# Altium PCB Tigershark 3D R2.4 - TR.PcbDoc (part 4 of 4)
Units mil, origin at the board's own origin, x right, y up, seen from the top; angles counter-clockwise.
Board outline 4100 x 4050 mil, 4 copper layers (Top Layer, Groun Plane, Power Plane, Bottom Layer), stack 61.73 mil thick; 425 components, 241 nets, 1238 pads, 1219 vias.
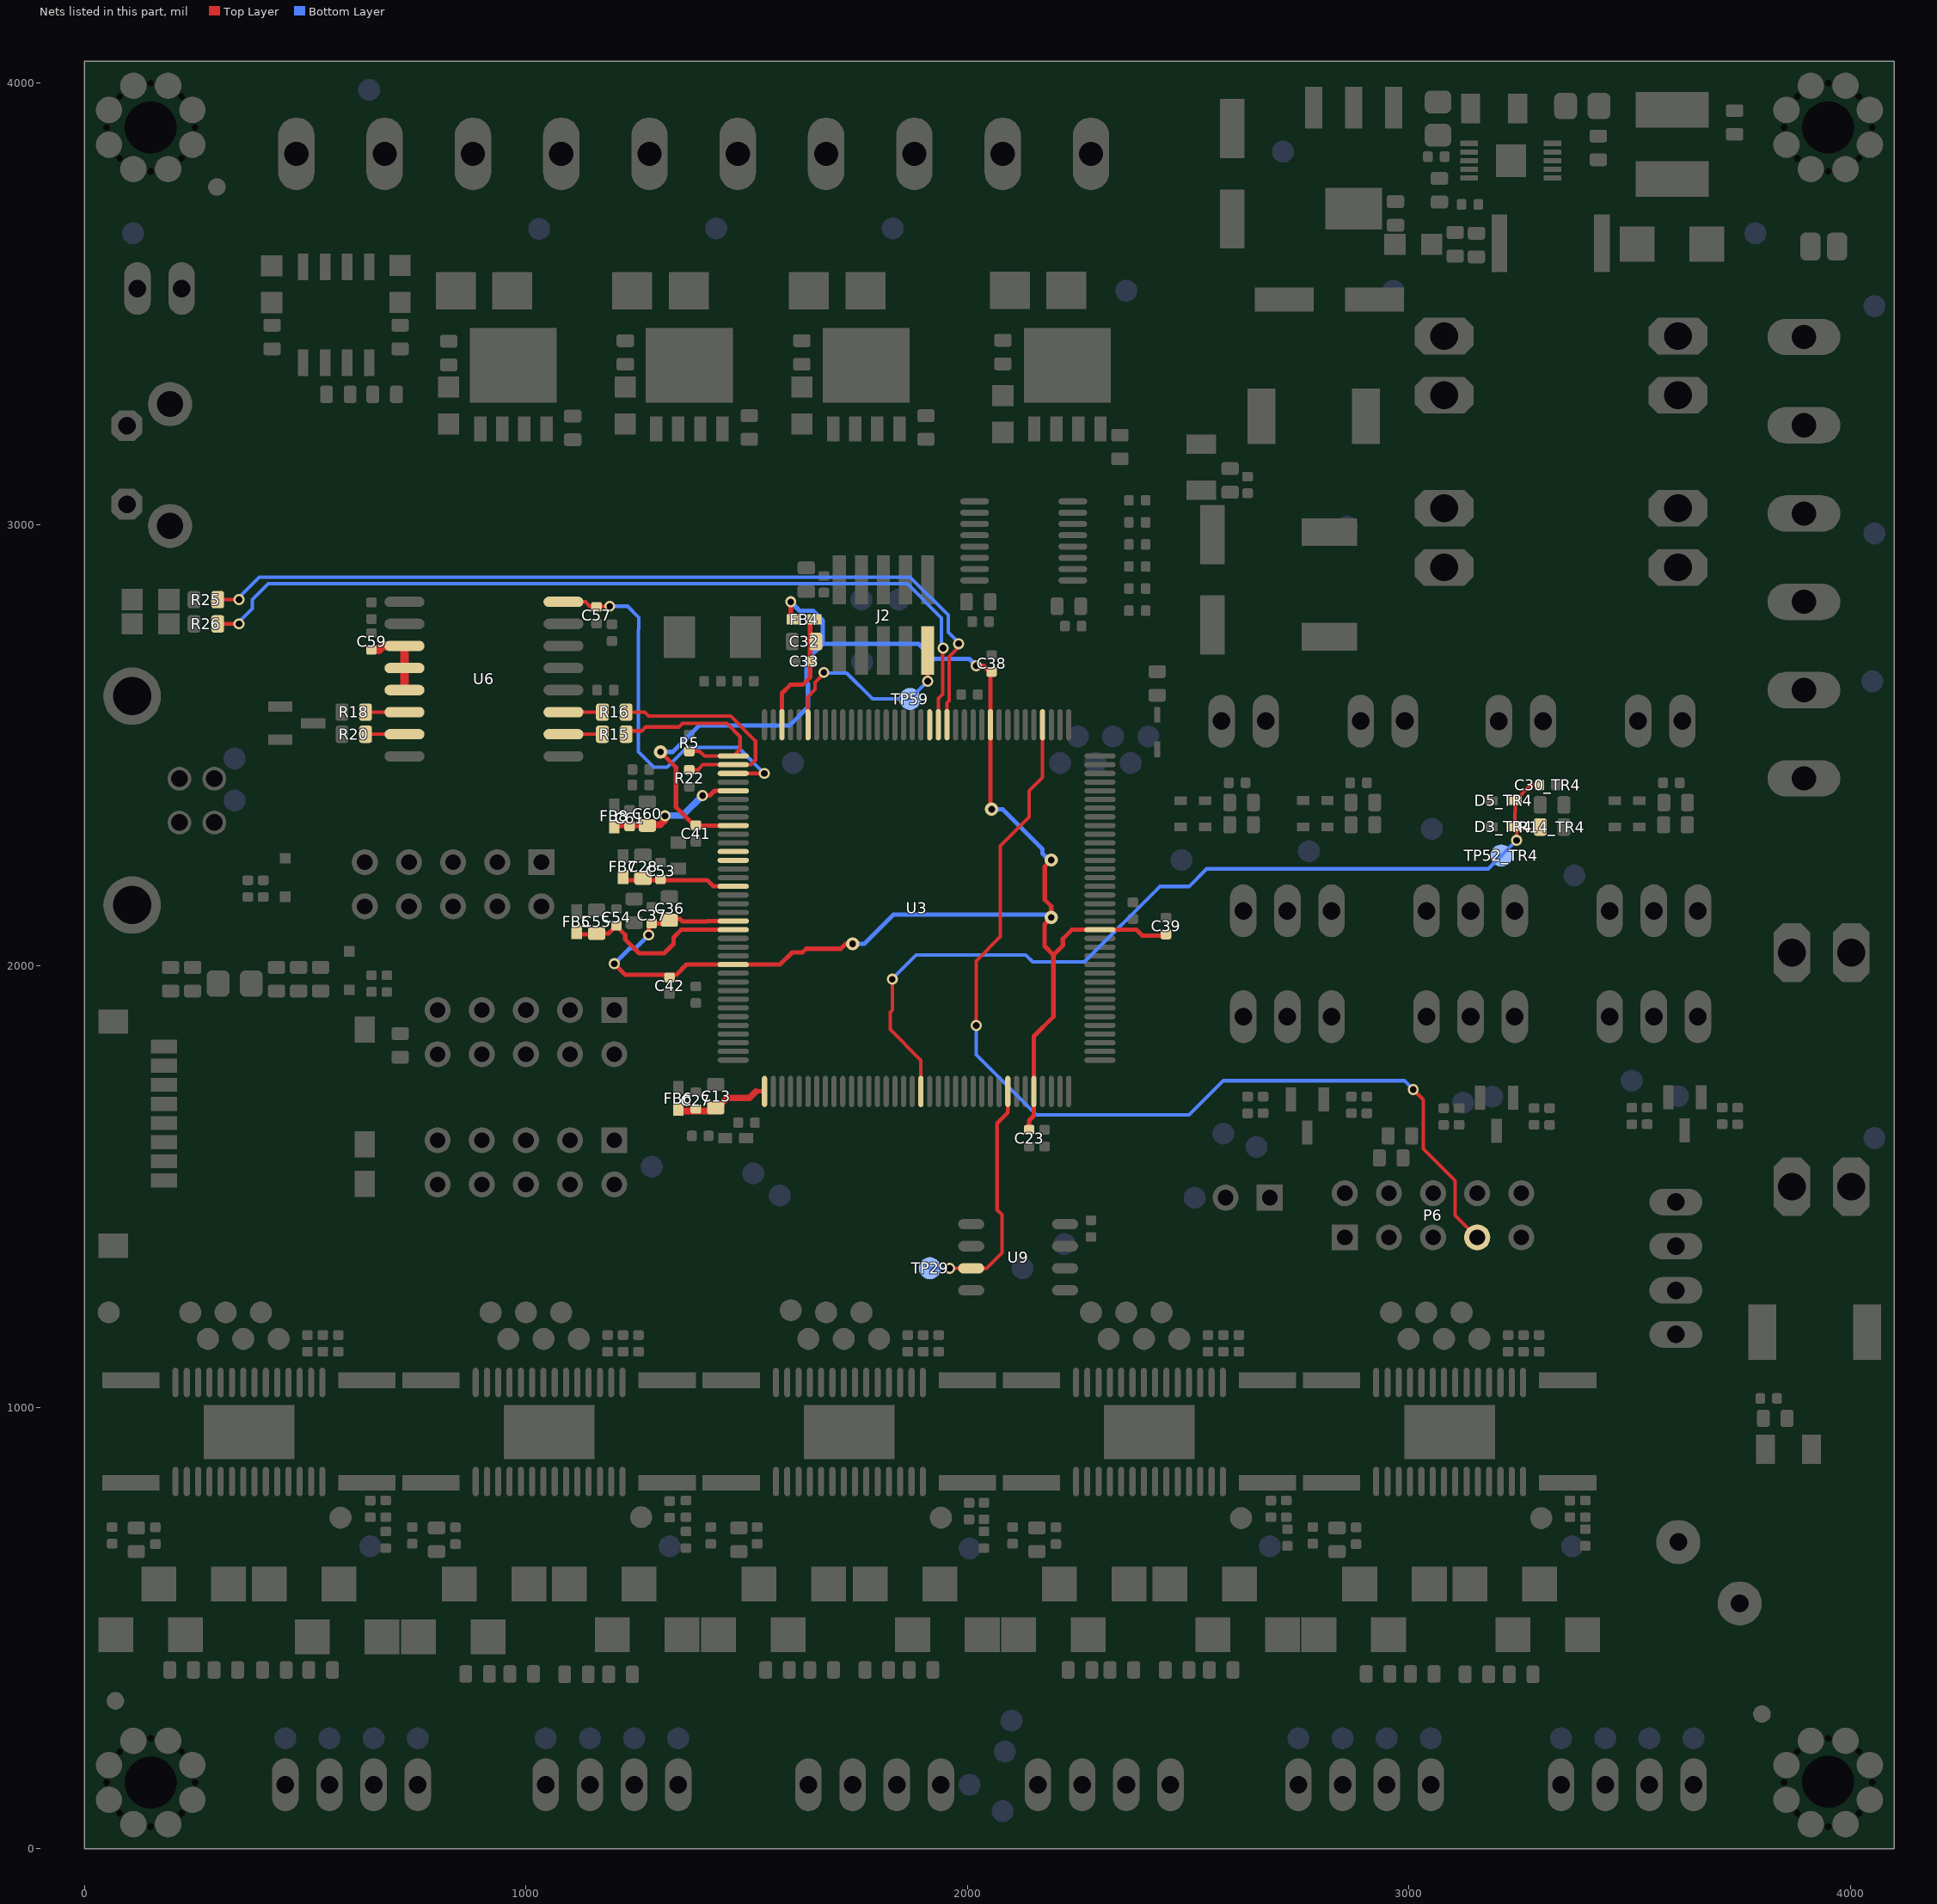
[diagram p6: the nets of this part, all layers, seen from the top]

## Via types
v1: diameter 30, hole 15, Top Layer to Bottom Layer, tented both sides, 769 vias
v2: diameter 25, hole 15, Top Layer to Bottom Layer, tented both sides, 443 vias
v3: diameter 45, hole 15, Top Layer to Bottom Layer, tented both sides, 4 vias
v4: diameter 50, hole 15, Top Layer to Bottom Layer, tented both sides, 3 vias

## Nets (pads, with @x,y where several pads share a name; then routed paths per layer and width w, separated by ;. In a path a pad name is that pad's centre, name@x,y a point inside that pad or via, vN(x,y) a via of type N, cw(c..) or ccw(c..) an arc to the next point about the centre after c; other vN are vias at no path point) (continued)
THERM_AN4: C30_TR4.1 D3_TR4.A D5_TR4.C R14_TR4.2 TP52_TR4.1 U3.91 | length 2055.9
  Top Layer w8: v2(1830,1970) 1830,1900 1825,1895 1825,1856.21 1894.84,1786.37 U3.91@1894.84,1715.75 ; D3_TR4.A@3240.43,2315 3240.43,2348.86 3241.03,2349.45 D5_TR4.C@3241.03,2370 ; D3_TR4.A@3241.1,2315 D3_TR4.A@3241.1,2310 ; D5_TR4.C@3241.1,2374.53 3276.57,2410 C30_TR4.1@3295.83,2410 ; v2(3244.06,2284.53) 3244.06,2307.05 D3_TR4.A@3241.1,2310 ; R14_TR4.2@3295,2305 3290,2310 D3_TR4.A@3241.1,2310
  Bottom Layer w8: v2(1830,1970) 1830,1971.21 1883.79,2025 2132.16,2025 2148.16,2009 2265.07,2009 2436.07,2180 2502.43,2180 2542.43,2220 3179.53,2220 v2(3244.06,2284.53)
TMS/SWDIO: J2.2 TP59.1 U3.31 | length 486.5
  Top Layer w8: U3.31@1638.94,2546.46 1638.94,2610.15 1655,2626.21 1655,2642.37 1675.88,2663.26 v2@1675.88,2664.12 ; v2(1910,2645) J2.2@1910,2715.08
  Bottom Layer w8: v2@1682,2665 v2(1675,2665) 1676.5,2663.5 1726.5,2663.5 1785,2605 TP59.1@1870,2605 v2(1910,2645)
TXD0: P6.7 U3.4 | length 2291.9
  Top Layer w8: v2(2020,1865) 2020,2011.21 2075,2066.21 2075,2272.43 2140,2337.43 2140,2396.5 2170.43,2426.93 U3.4@2170.43,2546.46 ; v2(3010,1720) 3032.9,1697.1 3032.9,1585.89 3105,1513.79 3105,1435 P6.7@3155,1385
  Bottom Layer w8: v2(2020,1865) 2020,1798.79 2156.33,1662.45 2502.31,1662.45 2579.85,1740 2990,1740 v2(3010,1720)
TXD1: U3.17
UD_N: R18.1 U6.6 | length 85.4
  Top Layer w8: R18.1@639.53,2575 U6.6@724.88,2575
UD_P: R20.1 U6.7 | length 85.4
  Top Layer w8: R20.1@639.53,2525 U6.7@724.88,2525
UI_N: R16.2 U6.11 | length 85.4
  Top Layer w8: U6.11@1085.12,2575 1135,2575 R16.2@1170.47,2575
UI_P: R15.2 U6.10 | length 85.4
  Top Layer w8: U6.10@1085.12,2525 1150,2525 R15.2@1170.47,2525
UMCU_N: R16.1 R22.2 U3.38 | length 520.6
  Top Layer w8: R16.1@1229.53,2575 1269.64,2575 1278.31,2566.34 1463.66,2566.34 1520,2510 1520,2465.91 1510,2455.91 U3.38@1469.65,2455.91 1400.91,2455.91 1389.72,2444.72 R22.2@1370.72,2444.72
  Top Layer w15: R22.2@1370,2444 R22.2@1370.72,2444.72
UMCU_P: R5.2 R15.1 U3.37 | length 432.7
  Top Layer w8: R15.1@1229.53,2525 1237.03,2532.5 1262.5,2532.5 1271.34,2541.34 1346.51,2541.34 1354.57,2549.4 1455.15,2549.4 1485,2519.54 1485,2490.94 U3.37@1469.65,2475.59 1404.41,2475.59 1393.43,2486.57 R5.2@1370.57,2486.57
  Top Layer w15: R5.2@1370,2486 R5.2@1370.57,2486.57
USB_RX: R25.1 U3.15 | length 1985.4
  Top Layer w8: R25.1@301.77,2830 v2(350,2830) ; U3.15@1953.9,2546.46 1953.9,2596.47 1959,2601.57 1959,2700.77 1980,2721.77 v2(1980,2730)
  Bottom Layer w8: v2@345,2830 396,2881 1870.21,2881 1956.5,2794.71 1956.5,2756.07 1980,2732.57 v2(1980,2730)
USB_TX: R26.1 U3.16 | length 1974.2
  Top Layer w8: R26.1@301.77,2775 v2(350,2775) ; U3.16@1934.21,2546.46 1934.21,2605.79 1944,2615.57 1944,2719 v2(1945,2720)
  Bottom Layer w8: v2@345,2775 380,2810 380,2830 416,2866 1864,2866 1941.5,2788.5 1941.5,2723.5 v2(1945,2720)
VBUS: C57.1 U3.39 U6.16 | length 903.1
  Top Layer w8: U6.16@1085.12,2825 1135,2825 1145,2815 v2(1190,2815) ; U3.39@1469.65,2436.22 v2@1540,2436.22
  Bottom Layer w8: v2(1190,2815) 1230,2815 1256,2789 1256,2764.23 1255,2763.23 1255,2485 1290,2450 1320,2450 1365,2495 1481.1,2495 v2(1540,2436.1)
VDD1: C59.1 U6.3 U6.4 U6.5 | length 178.6
  Top Layer w20: C59.1@650,2716 666,2716 675,2725 U6.3@724.88,2725 U6.4@724.88,2675 U6.5@724.88,2625
VDDANA: C13.2 C27.1 FB6.2 U3.73 | length 213.3
  Top Layer w10: 1520.75,1715.75 U3.73@1539.79,1715.75
  Top Layer w15: FB6.2@1345,1671.1 1426.1,1671.1 1456.1,1701.1 1506.1,1701.1 1520.75,1715.75
VDDBU: C28.2 C53.1 FB7.2 U3.52 | length 258.4
  Top Layer w10: FB7.2@1220,2201.38 1226.88,2194.5 1410.5,2194.5 1424.68,2180.32 U3.52@1469.65,2180.32
VDDIN: C54.1 C55.2 FB5.2 U3.57 | length 416
  Top Layer w10: FB5.2@1115,2076.38 1120,2071.38 C55.2@1148.62,2071.38 ; C55.2@1160,2073.23 1186.93,2073.23 C54.1@1205,2091.3 ; C54.1@1204.35,2090.65 1225,2070 1225,2060 1256.5,2028.5 1313.15,2028.5 1334.5,2049.85 1334.5,2064.92 1351.47,2081.89 U3.57@1469.65,2081.89
VDDOUT: C23.1 C36.2 C37.1 C38.1 C39.1 C41.1 C42.1 FB4.1 U3.10 U3.45 U3.56 U3.61 U3.104 U3.124 | length 4263.9
  Top Layer w10: v2(1200,2005) 1225,1980 1340.86,1980 1364.01,2003.15 U3.61@1469.65,2003.15 1575.78,2003.15 1603.09,2030.46 1626.35,2030.46 1634.85,2038.96 1655.15,2038.96 1713.61,2038.96 1724.65,2050 v1(1740,2050) ; v2(1278,2070) 1278,2089.3 C37.1@1285,2096.3 1318.07,2096.3 C36.2@1320,2098.23 ; v1(1305,2485) 1340,2450 1340,2360 1381.89,2318.11 U3.45@1469.65,2318.11 ; C36.2@1325,2103.23 C36.2@1320,2098.23 ; U3.56@1469.65,2101.57 1411.22,2101.57 1410.15,2100.5 1354.85,2100.5 1348.85,2106.5 1342.81,2106.5 1331.81,2095.5 1322.73,2095.5 C36.2@1320,2098.23 ; v2(1600,2825) 1600,2786.38 FB4.1@1601.38,2785 ; v2(2020,2680) 2036.58,2680 2055,2661.58 2052.32,2658.9 U3.10@2052.32,2546.46 2052.32,2357.68 v1(2055,2355) ; C23.1@2140,1628.7 2140,1650 2150.75,1660.75 U3.104@2150.75,1715.75 2150.75,1840.75 2195,1885 2195,2025 ; v1(2190,2240) 2175.5,2225.5 2175.5,2149.85 2190,2135.35 v1(2190,2110) 2190,2109 2175,2094 2175,2045 2195,2025 ; C39.1@2450,2071.3 2447.2,2068.5 2396.5,2068.5 2383.11,2081.89 U3.124@2300.35,2081.89 2236.89,2081.89 2216.33,2061.33 2216.33,2046.33 2195,2025
  Bottom Layer w10: v2(1200,2005) 1235,2040 1248,2040 v2(1278,2070) ; v1(1305,2485) 1332.37,2485 1391.87,2544.5 1596.87,2544.5 1638.94,2586.56 1638.94,2638.94 1635.5,2642.37 1635.5,2693.13 1672.37,2730 ; v2(1600,2825) 1620,2805 1650,2805 1672.37,2782.63 1672.37,2730 ; v1(1740,2050) 1766.27,2050 1832.27,2116 2182,2116 2189,2109 v1(2190,2110) ; v2(2020,2680) 2004.5,2695.5 1924,2695.5 1889.5,2730 1672.37,2730 ; v1(2055,2355) 2080,2355 2170,2265 2170,2255 2185,2240 v1(2190,2240)
VDDPLL: C32.2 C33.1 FB4.2 U3.34 | length 283.5
  Top Layer w10: U3.34@1579.88,2546.46 1579.88,2618.07 1598.82,2637 1627,2637 1643.7,2653.7 1643.7,2780.08 FB4.2@1648.62,2785
VDDUTMI: C60.2 C61.1 FB8.2 U3.41 | length 309.2
  Top Layer w10: v2(1400,2386.1) 1416.1,2386.1 1426.85,2396.85 U3.41@1469.65,2396.85
  Top Layer w15: FB8.2@1198.12,2320 1305,2320 1315,2330 v2(1315,2340)
  Bottom Layer w15: v2(1315,2340) 1315.55,2340.55 1354.45,2340.55 v2(1400,2386.1)
WP#: TP29.1 U3.101 U9.3 | length 558.3
  Top Layer w8: v2(1960,1315) U9.3@2008.7,1315 2043.23,1315 2078.5,1350.27 2078.5,1436.5 2067.32,1447.68 2067.32,1643.54 2091.69,1667.91 U3.101@2091.69,1715.75
  Bottom Layer w8: TP29.1@1915,1315 v2(1960,1315)
XIN32: U3.48
XOUT32: U3.49
pads on no net: FD1.1 FD2.1 FD3.1 H1.0 H2.0 H3.0 H4.0 J2.7 P4.1 P4.2 U3.32 U5.18 U5.19 U5.23 U5.27 U7_M1.18 U7_M1.19 U7_M1.23 U7_M1.27 U7_M2.18 U7_M2.19 U7_M2.23 U7_M2.27 U7_M3.18 U7_M3.19 U7_M3.23 U7_M3.27 U7_M4.18 U7_M4.19 U7_M4.23 U7_M4.27

## Polygon pours and split planes (outlines as drawn)
GND on Top Layer "Bottom Layer-No Net" (solid, remove dead copper, pour order 146): 3475,3550 3208.57,3550 3208.57,3150 3208.57,2785 3475,2785
GND on Top Layer "Bottom Layer-No Net" (solid, remove dead copper, pour order 134): 4100,3125 4100,3315 3860,3315 3755,3315 3755,3180 3390,3180 3390,3125
+12VCC2 on Top Layer "Bottom Layer-No Net" (solid, remove dead copper, pour order 122): 3255,2860 3255,3075 3210,3120 2715,3120 2715,3015 2715,2930 2760,2885 2950,2885 2950,2820 3215,2820
GND on Top Layer "Bottom Layer-No Net" (solid, remove dead copper, pour order 121): 4100,2725 4100,2915 3750,2915 3750,2820 2945,2820 2945,2875 2720,2875 2720,2725 2720,2675 2646.15,2675 2477,2675 2475,2675 2475,2545 2475,2440 2720,2440 3690,2440 3690,2725 3700,2725
GND on Top Layer "Bottom Layer-No Net" (solid, remove dead copper, pour order 114): 3890,1285 3890,1300 3710,1300 3710,1040 3810,1040 3810,1050 3890,1050
GND on Top Layer "Top Layer-No Net" (solid, remove dead copper, pour order 172): 2535,2255 2535,1735 2755,1735 3760,1735 3760,1660 3865,1660 4100,1660 4100,1850 3780,1850 3780,2225 3720,2285 3415,2285 3394.53,2285 3364.53,2255 2535,2255
+12VCC2 on Top Layer "Top Layer-No Net" (solid, remove dead copper, pour order 170): 185,3620 380,3620 380,3420 185,3420
+12VCC2 on Top Layer "Top Layer-No Net" (solid, remove dead copper, pour order 160): 350,4050 565,4050 565,3715 350,3715
GND on Top Layer "Bottom Layer-No Net" (solid, remove dead copper, pour order 139): 255,3245 255,2870 260,2865 265,2860 395,2860 1610,2860 1610,3045 775,3045 775,3245
GND on Top Layer "Bottom Layer-No Net" (solid, remove dead copper, pour order 125): 2635,3402 2785,3402 2785,3200 2630,3200 2630,3260 2635,3260
GND on Top Layer "Top Layer-No Net" (solid, remove dead copper, pour order 103): 1580,3169.61 1423.5,3169.61 1423.5,3254.61 1273.5,3254.61 1273.5,3174.61 1268.5,3169.61 1115,3169.61 1115,3046 1580,3046
GND on Top Layer "Top Layer-No Net" (solid, remove dead copper, pour order 102): 1910.77,3169.19 1824.5,3169.19 1824.5,3254.19 1674.5,3254.19 1674.5,3174.19 1669.5,3169.19 1510,3169.19 1510,3079.19 1759.5,3079.19 1910.77,3079.19
GND on Top Layer "Top Layer-No Net" (solid, remove dead copper, pour order 100): 2315,3165 2280,3165 2280,3170 2280,3255 2130,3255 2130,3175 2125,3170 1910,3170 1910,3080 2215,3080 2315,3080
NetD10_C on Top Layer "Top Layer-No Net" (solid, remove dead copper, pour order 150): 565,3545 565,3705 340,3705 0,3705 0,3445 170,3445 175,3450 175,3630 390,3630 390,3545
GND on Top Layer "Bottom Layer-No Net" (solid, remove dead copper, pour order 132): 460,3535 460,3330 520,3330 520,3410 570,3410 570,3330 620,3330 620,3410 675,3410 675,3535
FN1 on Top Layer "Bottom Layer-No Net" (solid, remove dead copper, pour order 130): 575,4025 575,4050 770,4050 770,3935 770,3545 575,3545
+12VCC2 on Top Layer "Bottom Layer-No Net" (solid, remove dead copper, pour order 126): 2495,3085 2495,2880 2645,2880 2650,2885 2650,3085
NetF1_1 on Top Layer "Bottom Layer-No Net" (solid, remove dead copper, pour order 120): 4100,2925 4100,3120 3470,3120 3425,3075 3425,2865 3470,2820 3745,2820 3745,2925
GND on Top Layer "Bottom Layer-No Net" (solid, remove dead copper, pour order 115): 2755,1095 2935,1095 2935,1015 3275,1015 3275,1095 3430,1095 3430,1010 3430,850 3295,850 3280,850 3280,800 3250,800 3250,880 2895,880 2895,850 2755,850
GND on Top Layer "Bottom Layer-No Net" (solid, remove dead copper, pour order 116): 2075,1095 2255,1095 2255,1015 2595,1015 2595,1095 2750,1095 2750,1010 2750,850 2615,850 2600,850 2600,800 2570,800 2570,880 2215,880 2215,850 2075,850
GND on Top Layer "Bottom Layer-No Net" (solid, remove dead copper, pour order 117): 1395.26,1095 1575.26,1095 1575.26,1015 1915.26,1015 1915.26,1095 2070.26,1095 2070.26,1010 2070.26,850 1935.26,850 1920.26,850 1920.26,800 1890.26,800 1890.26,880 1535.26,880 1535.26,850 1395.26,850
GND on Top Layer "Bottom Layer-No Net" (solid, remove dead copper, pour order 118): 715,1095 895,1095 895,1015 1235,1015 1235,1095 1390,1095 1390,1010 1390,850 1255,850 1240,850 1240,800 1210,800 1210,880 855,880 855,850 715,850
+12VCC1 on Top Layer "Bottom Layer-No Net" (solid, remove dead copper, pour order 112): 4100,1650 3775,1650 3775,1310 3900,1310 3900,1040 3825,1040 3820,1045 3820,1000 3835,1000 3835,950 3835,850 3450,850 3450,400 3450,375 3460.36,375 4100,375
NetF2_1 on Top Layer "Bottom Layer-No Net" (solid, remove dead copper, pour order 111): 3425,3550 3425,3210 3450,3185 3745,3185 3745,3325 4100,3325 4100,3550 3760,3550
+12VCC3 on Top Layer "Bottom Layer-No Net" (solid, remove dead copper, pour order 110): 2998.89,3550.44 2990,3550 2855,3550 2855,3500 2855,3205 3210,3205 3210,3550.3
+12VCC3 on Top Layer "Bottom Layer-No Net" (solid, remove dead copper, pour order 77): 1985,4030 1985,3885 1985,3475 1990,3470 2055,3470 2055,3400 2115,3400 2115,3470 2120,3470 2120,3490 2160,3490 2160,4035 2159.53,4035.45
HTRA on Top Layer "Bottom Layer-No Net" (solid, remove dead copper, pour order 74): 1670,3265 1865,3265 1865,3275 1980,3275 1980,3470 1980,3610 1980,4035 1745,4035 1745,3695 1710,3695 1705,3695 1700,3695 1700,3475 1650,3475 1650,3290 1590,3290 1590,3185 1665,3185 1665,3265
HTR0 on Top Layer "Bottom Layer-No Net" (solid, remove dead copper, pour order 76): 875,3260 1070,3260 1070,3270 1185,3270 1185,3465 1185,3605 1185,4030 950,4030 950,3690 915,3690 910,3690 905,3690 905,3470 855,3470 855,3285 795,3285 795,3180 870,3180 870,3260
NetD2_A on Top Layer "SMPS" (solid, pour order 78): 3371,3806 3371,3670 3371,3621 3420,3572 3533,3572 3557,3596 3557,3685 3545,3697 3528,3697 3447,3778 3420,3805 3374,3805
NetC40_2 on Top Layer "SMPS" (solid, pour order 79): 3368,3839 3390.77,3816.23 3435,3816.23 3541.23,3710 3557,3710 3573,3694 3573,3618 3611,3580 3697,3580 3715,3598 3715,3680 3715,3793 3669,3839 3658,3850 3386,3850 3371,3850 3368,3847
GND on Top Layer "SMPS" (solid, pour order 80): 3354,3773 3326,3745 3238,3745 3188,3695 3188,3572 3313,3572 3362,3621 3364,3623 3364,3756 3364,3773
HTBD on Top Layer "Bottom Layer-No Net" (solid, remove dead copper, pour order 81): 2375.5,3265.81 2375.5,3165 2450,3165 2450,3215 2625.01,3215 2625.01,3265.81 2624.98,3590 2560.81,3590 2560.81,4035.81 2170,4035.81 2170,3480.81 2125.5,3480.81 2125.5,3325.81 2110.5,3325.81 2110.5,3260.81 2055.5,3260.81 2055.5,3180.81 2132.63,3180.81 2125.5,3180.81 2125.5,3260.81 2130.5,3265.81
+12VCC2 on Top Layer "Top Layer-No Net" (solid, remove dead copper, pour order 91): 850,3390 795,3390 795,3460 780,3460 780,3495 780,3600 780,4030 785,4030 945,4030 945,3980 945,3695 900,3695 900,3595 900,3480 850,3480
+12VCC2 on Top Layer "Top Layer-No Net" (solid, remove dead copper, pour order 83): 1250,3390 1195,3390 1195,3460 1180,3460 1180,3495 1180,3600 1180,4030 1185,4030 1345,4030 1345,3980 1345,3695 1300,3695 1300,3595 1300,3480 1250,3480
+12VCC2 on Top Layer "Top Layer-No Net" (solid, remove dead copper, pour order 82): 1650,3390 1595,3390 1595,3460 1580,3460 1580,3495 1580,3600 1580,4030 1585,4030 1745,4030 1745,3980 1745,3695 1700,3695 1700,3595 1700,3480 1650,3480
GND on Top Layer "Bottom Layer-No Net" (solid, remove dead copper, pour order 138): 1247.57,2840 1247.57,2575 1562.57,2575 1562.57,2840
GND on Top Layer "Bottom Layer-No Net" (solid, remove dead copper, pour order 94): 3790,2505 4005,2505 4025,2485 4025,2365 4005,2345 3790,2345 3775,2360 3775,2490
NetF3_1 on Top Layer "Bottom Layer-No Net" (solid, remove dead copper, pour order 97): 3723.28,2715 4100,2715 4100,1860 4050,1860 3790,1860 3790,1870 3790,2225 3790,2230 3770,2250 3715,2305 3715,2360 3715,2695 3715,2715
GND on Top Layer "Bottom Layer-No Net" (solid, remove dead copper, pour order 101): 1970,1435 1968.79,1435 1965,1438.79 1803.98,1277.76 1803.98,1215 1945,1215 1970,1215 1970,1105 2295,1105 2295,1235 2055,1235 2045,1245 1990,1245 1970,1245
GND on Top Layer "Bottom Layer-No Net" (solid, remove dead copper, pour order 107): 2515,2685 2515,2775 2510,2770 2325,2770 2310,2770 2310,2750 2245,2750 2180,2750 2180,3065 2100,3065 2060,3065 2060,3025 2060,2800 2095,2765 2170,2690 2175,2690 2175,2685 2193.23,2666.77 2430,2666.77 2436.77,2666.77 2450,2680 2450,2685
NetC19_1 on Top Layer "Top Layer-No Net" (solid, remove dead copper, pour order 148): 585,1960 705,1960 705,1935 660,1890 660,1825 610,1825 610,1885 585,1910
GND on Top Layer "Bottom Layer-No Net" (solid, remove dead copper, pour order 180): 35,1095 215,1095 215,1015 555,1015 555,1095 710,1095 710,1010 710,850 575,850 560,850 560,800 530,800 530,880 175,880 175,850 35,850
GND on Top Layer "Top Layer-No Net" (solid, pour order 182): 0,1835 140,1835 140,1405 0,1405
GND on Top Layer "Top Layer-No Net" (solid, pour order 184): 100,1430 100,1410 105,1405 110,1405 110,1325 105,1320 210,1320 470,1320 475,1315 470,1320 470,1430 335,1430 295,1470 280,1485 120,1485
GND on Top Layer "Top Layer-No Net" (solid, pour order 186): 110,1835 110,1920 675,1920 675,1450 395,1450 372.43,1450 357.43,1465 220,1602.43 220,1700 220,1845 140,1845 140,1835 120,1815 90,1815
GND on Top Layer "Top Layer-No Net" (solid, pour order 188): 1100,2425 540,2425 525,2410 525,2150 560,2150 615,2095 630,2080 630,2030 705,2030 710,2025 710,1945 710,1925 685,1900 675,1890 675,1870 675,1445 940,1445 1280,1445 1337.5,1502.5 1325,1515 1325,1781.77 1325,1885 1300,1885 1300,1920 1300,1980 1230,2050 1090,2050 1090,2120 1090,2185 1190,2185 1190,2350 1190,2420 1185,2425
GND on Top Layer "Top Layer-No Net" (solid, pour order 190): 2540,1530 2540,1370 2590,1320 3065.61,1320 3090,1320 3170,1240 3180,1230 3340,1230 3340,1125 3440,1125 3700,1125 3700,1305 3765,1305 3765,1580 2550,1580 2540,1590
HTR1 on Top Layer "Bottom Layer-No Net" (solid, remove dead copper, pour order 75): 1275,3260 1470,3260 1470,3270 1585,3270 1585,3465 1585,3605 1585,4030 1350,4030 1350,3690 1315,3690 1310,3690 1305,3690 1305,3470 1255,3470 1255,3285 1195,3285 1195,3180 1270,3180 1270,3260
GND on Top Layer "Top Layer-No Net" (solid, remove dead copper, pour order 104): 1189.49,3170 1025,3170 1025,3255 875,3255 875,3175 870,3170 690,3170 690,3027 1189.49,3027
GND on Top Layer "Bottom Layer-No Net" (solid, remove dead copper, pour order 109): 2075,2750 2075,2600 2250,2600 2250,2505 2250,2495 2320,2495 2405,2495 2405,2595 2405,2655 2400,2660 2255,2660 2205,2660 2145,2720 2095,2770 2075,2770
GND on Bottom Layer "Top Layer-No Net" (solid, remove dead copper, pour order 152): 2470,2875 3526.47,2875 3705,2730 3710,2710 3707.35,2694.12 3707.35,2282.65 3730,2260 3770,2220 3770,2055 3770,1572.67 3770,1315 3512.33,1315 2470,1315
GND on Bottom Layer "Top Layer-No Net" (solid, remove dead copper, pour order 178): 390,3535 390,3315 765,3315 765,3535
+12VCC2 on Bottom Layer "Top Layer-No Net" (solid, remove dead copper, pour order 168): 185,3625 380,3625 380,3420 185,3420
NetD10_C on Bottom Layer "Top Layer-No Net" (solid, remove dead copper, pour order 166): 0,3445 175,3445 175,3635 390,3635 390,3545 565,3545 565,3705 0,3705
FN1 on Bottom Layer "Top Layer-No Net" (solid, remove dead copper, pour order 164): 575,4025 770,4025 770,3610 575,3610
+12VCC2 on Bottom Layer "Top Layer-No Net" (solid, remove dead copper, pour order 162): 350,4050 565,4050 565,3715 350,3715
HTBD on Bottom Layer "Bottom Layer-No Net" (solid, remove dead copper, pour order 133): 1995,3580 1995,3245 1995,3215 1995,3165 2450,3165 2450,3215 2620,3215 2620,3580
NetF2_1 on Bottom Layer "Bottom Layer-No Net" (solid, remove dead copper, pour order 127): 4100,3325 3785,3325 3785,3245 3725,3185 3450,3185 3425,3210 3425,3440 3475,3490 3795,3490 3845,3540 4100,3540
NetF3_1 on Bottom Layer "Bottom Layer-No Net" (solid, remove dead copper, pour order 124): 3715,2715 3715,2270 3750,2270 3750,1826.18 3752.57,1823.61 3788.96,1860 4100,1860 4100,2715
+12VCC1 on Bottom Layer "Bottom Layer-No Net" (solid, remove dead copper, pour order 113): 3775,1650 4100,1650 4100,355 3930,355 3750,355 3750,0 355,0 350,-5 350,350 0,350 0,700 295,700 3450,700 3450,1130 3450,1305 3775,1305
INPUT_GND on Bottom Layer "Bottom Layer-No Net" (solid, remove dead copper, pour order 105): 675,2445 675,2850 440,2850 405,2815 405,2740 370,2705 345,2705 0,2705 0,2040 195,2040 430,2040 515,2125 515,2415 545,2445
+12VCC2 on Bottom Layer "Top Layer-No Net" (solid, remove dead copper, pour order 92): 780,4030 945,4030 945,3975 945,3695 900,3695 900,3670 900,3475 850,3475 850,3450 850,3390 795,3390 795,3460 780,3460 780,4030
+12VCC2 on Bottom Layer "Top Layer-No Net" (solid, remove dead copper, pour order 95): 1190,4030 1190,3915 1190,3485 1300,3485 1300,3695 1345,3695 1345,4030
+12VCC2 on Bottom Layer "Top Layer-No Net" (solid, remove dead copper, pour order 93): 1590,4030 1590,3915 1590,3485 1700,3485 1700,3695 1745,3695 1745,4030
HTR0 on Bottom Layer "Top Layer-No Net" (solid, remove dead copper, pour order 99): 870,3260 1185,3260 1185,4030 950,4030 950,3690 905,3690 905,3470 855,3470 855,3260
HTR1 on Bottom Layer "Top Layer-No Net" (solid, remove dead copper, pour order 98): 1270,3260 1585,3260 1585,4030 1350,4030 1350,3690 1305,3690 1305,3470 1255,3470 1255,3260
HTRA on Bottom Layer "Top Layer-No Net" (solid, remove dead copper, pour order 96): 1670,3260 1985,3260 1985,4030 1750,4030 1750,3690 1705,3690 1705,3470 1655,3470 1655,3260
GND on Bottom Layer "Top Layer-No Net" (solid, remove dead copper, pour order 90): 35,1300 35,1000 35,710 210,710 710,710 710,745 710,1300
GND on Bottom Layer "Top Layer-No Net" (solid, remove dead copper, pour order 89): 715,1300 715,1000 715,710 890,710 1390,710 1390,745 1390,1300
GND on Bottom Layer "Top Layer-No Net" (solid, remove dead copper, pour order 87): 1395.26,1300 1395.26,1000 1395.26,710 1570.26,710 2070.26,710 2070.26,745 2070.26,1300
GND on Bottom Layer "Top Layer-No Net" (solid, remove dead copper, pour order 86): 2075,1300 2075,1000 2075,710 2250,710 2750,710 2750,745 2750,1300
GND on Bottom Layer "Top Layer-No Net" (solid, remove dead copper, pour order 84): 2755,1300 2755,1000 2755,710 2930,710 3430,710 3430,745 3430,1300
GND on Bottom Layer "Bottom Layer-No Net" (solid, remove dead copper, pour order 142): 255,3225 255,2875 270,2860 275,2865 1035,2865 2065,2860 2065,2600 2500,2600 2500,3000 1035,3000 755,3000 745,3010 745,3015 740,3015 680,3075 680,3175 630,3225
GND on Bottom Layer "Bottom Layer-No Net" (solid, remove dead copper, pour order 85): 4100,2725 4100,2915 4030,2915 3750,2915 3750,2810 3395,2810 3385,2800 3420,2765 3430,2755 3470,2755 3630,2755 3660,2725
GND on Bottom Layer "Bottom Layer-No Net" (solid, remove dead copper, pour order 88): 3275,3585 3199.88,3585 3200.04,2775 3365,2775 3370,2770 3370,3085 3370,3150 3345,3175 3345,3500 3350,3500 3395,3545 3395,3590
GND on Bottom Layer "Top Layer-No Net" (solid, remove dead copper, pour order 154): 525,2410 540,2425 660,2425 675,2425 765,2425 1485,2425 1565,2345 1565,1715 525,1715
NetF1_1 on Bottom Layer "Bottom Layer-No Net" (solid, remove dead copper, pour order 128): 4100,2925 4100,3120 3470,3120 3425,3075 3425,2865 3470,2820 3745,2820 3745,2925
+12VCC3 on Bottom Layer "Bottom Layer-No Net" (solid, remove dead copper, pour order 106): 1990,4050 1990,3965 1990,3590 2385,3590 2635,3590 2635,3205 3145,3205 3210,3270 3210,3495 3155,3550 3060,3550 2985,3625 2985,4050
+12VCC2 on Bottom Layer "Bottom Layer-No Net" (solid, remove dead copper, pour order 129): 3195,2820 3195,3120 2750,3120 2715,3085 2715,2985 2715,2930 2760,2885 2950,2885 2950,2820
GND on Bottom Layer "Top Layer-No Net" (solid, remove dead copper, pour order 174): 4100,1660 4100,1850 3780,1850 3780,1667 3787,1660
GND on Bottom Layer "Top Layer-No Net" (solid, remove dead copper, pour order 156): 0,1945 590,1945 640,1945 675,1910 675,1320 0,1320
GND on Bottom Layer "Top Layer-No Net" (solid, remove dead copper, pour order 158): 665,1320 1565,1320 1565,1715 670,1715
GND on Bottom Layer "Top Layer-No Net" (solid, remove dead copper, pour order 176): 1555,2265 1757.43,2265 1821.77,2265 1830.27,2256.5 1866.5,2256.5 1890,2280 1890,2346.77 1948.23,2405 1995,2451.77 1995,2510 2090,2510 2140,2510 2140,2465 2070,2395 2065,2395 2065,2177 1791.49,2177 1759.49,2145 1759.49,2123.95 1683.53,2109.77 1609.77,2109.77 1590.88,2090.88 1565,2065 1555,2075
GND on Bottom Layer "Bottom Layer-No Net" (solid, remove dead copper, pour order 108): 3030,4050 2995,4050 2995,3955 2995,3540 3785,3540 3785,4050
GND on Bottom Layer "Bottom Layer-No Net" (solid, remove dead copper, pour order 145): 4100,3710 3815,3710 3815,3705 3785,3675 3785,3565 3755,3535 3402.67,3535 3345,3477.33 3345,3185 3345,2795 4100,2795 4100,3315 3790,3315 3790,3250 3720,3180 3455,3180 3430,3205 3420,3215 3420,3445 3470,3495 3800,3495 3845,3540 4100,3540
INPUT_GND on Groun Plane (split plane): 899.9,2817.89 899.9,2477.11 872.89,2450.1 545,2450.1 543.05,2449.71 541.4,2448.6 511.4,2418.6 510.29,2416.95 509.9,2415 509.9,2127.11 451.4,2068.61 451.4,2068.6 427.89,2045.1 20.1,2045.1 20.1,2699.9 370,2699.9 371.95,2700.29 373.6,2701.4 408.6,2736.4 409.71,2738.05 410.1,2740 410.1,2812.89 442.11,2844.9 872.89,2844.9
FGND on Groun Plane (split plane): 4079.9,20.1 20.1,20.1 20.1,2034.9 74.9,2034.9 74.9,350 75.29,348.05 76.4,346.4 78.05,345.29 80,344.9 344.9,344.9 344.9,171.3 344.9,80 345.29,78.05 346.4,76.4 348.05,75.29 350,74.9 3750,74.9 3751.95,75.29 3753.6,76.4 3754.71,78.05 3755.1,80 3755.1,349.9 4020,349.9 4021.95,350.29 4023.6,351.4 4024.71,353.05 4025.1,355 4025.1,1660 4025.1,2410 4025.1,2785 4025.1,3355 4025.1,3560 4024.71,3561.95 4023.6,3563.6 4006.35,3580.86 4006.35,3700 4005.96,3701.95 4004.85,3703.6 4003.2,3704.71 4001.25,3705.1 3755.1,3705.1 3755.1,3970 3754.71,3971.95 3753.6,3973.6 3751.95,3974.71 3750,3975.1 350,3975.1 348.05,3974.71 346.4,3973.6 345.29,3971.95 344.9,3970 344.9,3705.1 85,3705.1 83.05,3704.71 81.4,3703.6 80.29,3701.95 79.9,3700 79.9,3302.11 20.1,3242.31 20.1,4029.9 4079.9,4029.9
GND on Groun Plane (split plane): 3744.9,3700 3745.29,3698.05 3746.4,3696.4 3748.05,3695.29 3750,3694.9 3996.15,3694.9 3996.15,3578.75 3996.54,3576.8 3997.65,3575.15 4014.9,3557.89 4014.9,3355 4014.9,2785 4014.9,2410 4014.9,1660 4014.9,360.1 3750,360.1 3748.05,359.71 3746.4,358.6 3745.29,356.95 3744.9,355 3744.9,85.1 355.1,85.1 355.1,171.3 355.1,350 354.71,351.95 353.6,353.6 351.95,354.71 350,355.1 85.1,355.1 85.1,2034.9 430,2034.9 431.95,2035.29 433.6,2036.4 458.6,2061.4 458.61,2061.4 518.6,2121.4 519.71,2123.05 520.1,2125 520.1,2412.89 547.11,2439.9 875,2439.9 876.95,2440.29 878.6,2441.4 908.6,2471.4 909.71,2473.05 910.1,2475 910.1,2820 909.71,2821.95 908.6,2823.6 878.6,2853.6 876.95,2854.71 875,2855.1 440,2855.1 438.05,2854.71 436.4,2853.6 401.4,2818.6 400.29,2816.95 399.9,2815 399.9,2742.11 367.89,2710.1 20.1,2710.1 20.1,3227.89 88.6,3296.4 89.71,3298.05 90.1,3300 90.1,3694.9 350,3694.9 351.95,3695.29 353.6,3696.4 354.71,3698.05 355.1,3700 355.1,3964.9 3744.9,3964.9
+5VCC on Power Plane (split plane): 4079.9,3560.1 2980.1,3560.1 2980.1,4029.9 4079.9,4029.9
NetF2_1 on Power Plane (split plane): 4079.9,3180.1 3300.1,3180.1 3300.1,3549.9 4079.9,3549.9
+12VCC3 on Power Plane (split plane): 2969.9,3555 2970.29,3553.05 2971.4,3551.4 2973.05,3550.29 2975,3549.9 3289.9,3549.9 3289.9,3180.1 2727.11,3180.1 2635.1,3272.11 2635.1,3490 2634.71,3491.95 2633.6,3493.6 2543.6,3583.6 2541.95,3584.71 2540,3585.1 1975.1,3585.1 1975.1,4017.89 1987.11,4029.9 2969.9,4029.9
no net on Power Plane (split plane): 3546.75,3904.98 3551.38,3903.86 3555.78,3902.04 3559.84,3899.55 3563.46,3896.46 3566.55,3892.84 3569.04,3888.78 3570.86,3884.38 3571.98,3879.75 3572.35,3875 3571.98,3870.25 3570.86,3865.62 3569.04,3861.22 3566.55,3857.16 3563.46,3853.54 3559.84,3850.45 3555.78,3847.96 3551.38,3846.14 3546.75,3845.02 3542,3844.65 3537.25,3845.02 3532.62,3846.14 3528.22,3847.96 3524.16,3850.45 3520.54,3853.54 3517.45,3857.16 3514.96,3861.22 3513.14,3865.62 3512.02,3870.25 3511.65,3875 3512.02,3879.75 3513.14,3884.38 3514.96,3888.78 3517.45,3892.84 3520.54,3896.46 3524.16,3899.55 3528.22,3902.04 3532.62,3903.86 3537.25,3904.98 3542,3905.35
NetF3_1 on Power Plane (split plane): 4079.9,1860.1 3785.1,1860.1 3785.1,2075 3784.71,2076.95 3783.6,2078.6 3765.1,2097.11 3765.1,2240 3764.71,2241.95 3763.6,2243.6 3705.1,2302.11 3705.1,2365 3705.1,2719.9 4079.9,2719.9
no net on Power Plane (split plane): 4079.9,20.1 3755.1,20.1 3755.1,354.9 4079.9,354.9
NetF1_1 on Power Plane (split plane): 4079.9,2730.1 3700,2730.1 3698.05,2729.71 3696.4,2728.6 3695.29,2726.95 3694.9,2725 3694.9,2720.1 3300.1,2720.1 3300.1,3169.9 4079.9,3169.9
+12VCC2 on Power Plane (split plane): 1966.4,4023.6 1965.29,4021.95 1964.9,4020 1964.9,3580 1965.29,3578.05 1966.4,3576.4 1968.05,3575.29 1970,3574.9 2537.89,3574.9 2624.9,3487.89 2624.9,3270 2625.29,3268.05 2626.4,3266.4 2721.4,3171.4 2723.05,3170.29 2725,3169.9 3289.9,3169.9 3289.9,2720.1 2515.1,2720.1 2515.1,2965 2514.71,2966.95 2513.6,2968.6 2313.6,3168.6 2311.95,3169.71 2310,3170.1 770.1,3170.1 770.1,3205 770.1,3320 769.71,3321.95 768.6,3323.6 766.95,3324.71 765,3325.1 305.1,3325.1 305.1,3440 305.1,3445 304.71,3446.95 303.6,3448.6 301.95,3449.71 300,3450.1 20.1,3450.1 20.1,4029.9 1972.69,4029.9
3.3VCC on Power Plane (split plane): 329.22,1911.67 333.34,1910.68 337.26,1909.06 340.87,1906.84 344.09,1904.09 346.84,1900.87 349.06,1897.26 350.68,1893.34 351.67,1889.22 352,1885 351.67,1880.78 350.68,1876.66 349.06,1872.74 346.84,1869.13 344.09,1865.91 340.87,1863.16 337.26,1860.94 333.34,1859.32 329.22,1858.33 325,1858 320.78,1858.33 316.66,1859.32 312.74,1860.94 309.13,1863.16 305.91,1865.91 303.16,1869.13 300.94,1872.74 299.32,1876.66 298.33,1880.78 298,1885 298.33,1889.22 299.32,1893.34 300.94,1897.26 303.16,1900.87 305.91,1904.09 309.13,1906.84 312.74,1909.06 316.66,1910.68 320.78,1911.67 325,1912
no net on Power Plane (split plane): 269.22,1716.67 273.34,1715.68 277.26,1714.06 280.87,1711.84 284.09,1709.09 286.84,1705.87 289.06,1702.26 290.68,1698.34 291.67,1694.22 292,1690 291.67,1685.78 290.68,1681.66 289.06,1677.74 286.84,1674.13 284.09,1670.91 280.87,1668.16 277.26,1665.94 273.34,1664.32 269.22,1663.33 265,1663 260.78,1663.33 256.66,1664.32 252.74,1665.94 249.13,1668.16 245.91,1670.91 243.16,1674.13 240.94,1677.74 239.32,1681.66 238.33,1685.78 238,1690 238.33,1694.22 239.32,1698.34 240.94,1702.26 243.16,1705.87 245.91,1709.09 249.13,1711.84 252.74,1714.06 256.66,1715.68 260.78,1716.67 265,1717
3.3VCC on Power Plane (split plane): 294.9,3320 295.29,3318.05 296.4,3316.4 298.05,3315.29 300,3314.9 759.9,3314.9 759.9,3205 759.9,3165 760.29,3163.05 761.4,3161.4 763.05,3160.29 765,3159.9 2307.89,3159.9 2504.9,2962.89 2504.9,2715 2505.29,2713.05 2506.4,2711.4 2508.05,2710.29 2510,2709.9 3694.9,2709.9 3694.9,2365 3694.9,2300 3695.29,2298.05 3696.4,2296.4 3754.9,2237.89 3754.9,2095 3755.29,2093.05 3756.4,2091.4 3774.9,2072.89 3774.9,1563.75 3774.9,1182.11 3542.89,950.1 20.1,950.1 20.1,3439.9 294.9,3439.9
+12VCC1 on Power Plane (split plane): 4079.9,365.1 3750,365.1 3748.05,364.71 3746.4,363.6 3745.29,361.95 3744.9,360 3744.9,20.1 350.1,20.1 350.1,250 350.1,350 349.71,351.95 348.6,353.6 346.95,354.71 345,355.1 20.1,355.1 20.1,939.9 3545,939.9 3546.95,940.29 3548.6,941.4 3783.6,1176.4 3784.71,1178.05 3785.1,1180 3785.1,1563.75 3785.1,1849.9 4079.9,1849.9
no net on Power Plane (split plane): 339.9,250 339.9,20.1 20.1,20.1 20.1,344.9 339.9,344.9

## Keep-outs
Keep-Out Layer:
  the board outline again, w10

## Other copper
Groun Plane (plane layer: these items are gaps in the copper):
  lines w10: 0,2050 10,2040 195,2040 430,2040 455,2065 515,2125 515,2415 545,2445 715,2445 875,2445 905,2475 905,2820 875,2850 545,2850 440,2850 405,2815 405,2740 370,2705 0,2705 ; 0,2880 0,3215 85,3300 85,3700 350,3700 350,3970 3750,3970 3750,3700 3945,3700 4001.25,3700 4001.25,3578.75 4020,3560 4020,3355 4020,2785 4020,2410 4020,1660 4020,355 3971.3,355 3914.72,355 3821.57,355 3750,355 3750,80 350,80 350,171.3 350,350 80,350 80,2040 125,2040
Power Plane (plane layer: these items are gaps in the copper):
  circle w10: c3542,3875 r35.36
  circle w10: c265,1690 r32.02
  circle w10: c325,1885 r32.02
  lines w10: 0,0 1.05,940 ; 0,350 345,350 345,250 345,10 355,0 ; 1.05,945 3502.49,945 ; 10,3680 10,3445 300,3445 300,3440 300,3320 570,3320 765,3320 765,3205 765,3165 805,3165 2310,3165 2510,2965 2510,2715 3700,2715 ; 1990,4040 1970,4020 1970,3580 2540,3580 2630,3490 2630,3270 2725,3175 3005,3175 3295,3175 ; 2975,4060 2975,3555 3295,3555 ; 3295,2715 3295,3175 ; 3487.49,945 3545,945 3780,1180 3780,1563.75 3780,2075 3760,2095 3760,2240 3700,2300 3700,2365 3700,2725 3750,2725 4090,2725 4090,2765 4100,2775 4100,2870 ; 3750,0 3750,360 4100,360 ; 3780,1855 4090,1855 ; 4095,1290 4095,2715 ; 4100,3175 3295,3175 ; 4100,3630 4100,3555 3295,3555 ; 3295,3175 3295,3555

## Silkscreen, mask and mechanical layers (free items; w line width, h text height)
Top Overlay:
  circle w5: c75,2910 r42
  rectangle: 3945,330 4075,1035
  lines w10: 3740,3740 3780,3740 ; 3757,3685 3757,3725
  text "FAN-1" at 540,3620 h100
  text "HEAT-0" at 905,3620 h100
  text "HEAT-1" at 1305,3620 h100
  text "AUX" at 1770,3610 h100
  text "HEATBED" at 2170,3610 h100
  text "HEATBED 15A" at 3310,3505 h75
  text "FAN-0" at 115,3350 h100
  text "MOSFETs 5A" at 2950,3115 h75
  text "Tigershark 1.0" at 330,2955 h45
  text "U" at 54,2878 h60
  text "TR-1" at 2980,2720 h60
  text "TR-2" at 3290,2720 h60
  text "TR-0" at 2635,2715 h60
  text "TR-3" at 3610,2715 h60
  text "X" at 2905,2240 h90
  text "Z" at 3700,2240 h90
  text "MIN" at 2520,2010 h90 r90
  text "MAX" at 2520,1775 h90 r90
  text "ERASE" at 2540,1535 h75
  text "GND" at 3365,1445 h70
  text "12V" at 3375,1345 h70
  text "Motors" at 3800,1310 h90
  text "microSD/MMC Card" at 195,1275 h60
  text "5V" at 3410,1255 h70
  text "3V3" at 3375,1145 h70
  text "X" at 135,1130 h150
  text "E0" at 2120,1130 h150
  text "E1" at 2795,1130 h150
  text "Y" at 815,1125 h150
  text "Z" at 1500,1125 h150
  text "PWR EXP" at 3465,1015 h70
  text "E0" at 2595,270 h150
  text "X" at 380,265 h150
  text "Y" at 960,265 h150
  text "Z" at 1550,265 h150
  text "E1" at 3200,265 h150
Bottom Overlay:
  lines w10: 165,735 165,1065 ; 165,1310 165,1640 ; 165,1315 165,1065 ; 165,1890 165,1640 ; 570,735 570,1065 ; 570,1885 570,1640 ; 621.65,2356 621.65,2686 ; 621.65,2936 621.65,2686 ; 1026.65,2356 1026.65,2686 ; 1026.65,2931 1026.65,2686 ; 1985,50 ccw(c1972.5,92.5) 2015,105 ; 2105,60 ccw(c2147.5,72.5) 2160,30 ; 2105.75,328.25 cw(c2238.25,285.75) 2345,375 ; 2837.5,610 2837.5,940 ; 2837.5,1190 2837.5,940 ; 3242.5,610 3242.5,940 ; 3242.5,1185 3242.5,940 ; 165,1065 570,1065 ; 165,1640 570,1640 ; 570,1065 570,1310 570,1640 ; 621.65,2686 1026.65,2686 ; 2837.5,940 3242.5,940
  text "3V3" at 2675,3825 h90
  text "+5VCC" at 3735,3635 h90
  text "12VCC3" at 3010,3565 h90
  text "HTR2" at 1865,3558.11 h90 r270
  text "HTR0" at 1075,3557.32 h90 r270
  text "HTR1" at 1470,3554.95 h90 r270
  text "FAN1" at 655,3553.9 h90 r270
  text "HTBD" at 2255,3553.02 h90 r270
  text "VBED" at 2060,3548.19 h90 r270
  text "VHEAT" at 460,3510 h90 r270
  text "VHEAT" at 850,3510 h90 r270
  text "VHEAT" at 1255,3510 h90 r270
  text "VHEAT" at 1655,3510 h90 r270
  text "VHEAT" at 270,3440 h90 r270
  text "FAN0" at 25,3380 h90 r270
  text "VIN3" at 4020,3295 h90 r270
  text "VIN2" at 4020,3030 h90 r270
  text "12VCC2" at 2910,2920 h90
  text "TDI" at 1735,2865 h90 r270
  text "TCK/SWCLK" at 1815,2865 h90 r270
  text "GND" at 650,2705 h90 r270
  text "EN7" at 725.46,2705 h90 r270
  text "DIR6" at 802.5,2705 h90 r270
  text "STEP6" at 878.75,2705 h90 r270
  text "EN6" at 955,2705 h90 r270
  text "VIN1" at 4020,2695 h90 r270
  text "TMS/SWDIO" at 1835,2580 h90 r270
  text "PWM2" at 2220,2560 h90 r270
  text "PWM4" at 2305,2560 h90 r270
  text "PWMBD" at 2385,2560 h90 r270
  text "3V3" at 650,2535.65 h90 r270
  text "DIR7" at 722.45,2504.04 h90 r270
  text "STEP7" at 796.49,2447.41 h90 r270
  text "D-" at 460,2445 h90
  text "D+" at 465,2360 h90
  text "OVREF" at 3040,2355 h90 r270
  text "SWO/TDO" at 1730,2310 h90 r270
  text "EXP_REF1" at 881.76,2305 h90 r270
  text "EXP_REF2" at 955,2305 h90 r270
  text "TR1" at 2750,2305 h90 r270
  text "TR2" at 3190,2290 h90 r270
  text "TR0" at 2465,2280 h90 r270
  text "TR3" at 3370,2245 h90 r270
  text "RESET" at 1580,2210 h90 r270
  text "PWM1" at 2180,2210 h90 r270
  text "PWM3" at 2265,2210 h90 r270
  text "PWM5" at 2340,2205 h90 r270
  text "3V3" at 2600,2205 h90 r270
  text "GND" at 2690,2205 h90 r270
  text "X-MIN" at 2835,2205 h90 r270
  text "GND" at 3115,2205 h90 r270
  text "Y-MIN" at 3265,2205 h90 r270
  text "3V3" at 3440,2205 h90 r270
  text "GND" at 3535,2205 h90 r270
  text "Z-MIN" at 3630,2205 h90 r270
  text "3V3" at 2950,2085 h90 r270
  text "GND" at 3630,1980 h90
  text "GND" at 3200,1970 h90
  text "3V3" at 3290,1835 h90 r270
  text "3V3" at 3700,1835 h90 r270
  text "X-MAX" at 2525,1780 h90 r270
  text "Y-MAX" at 2945,1780 h90 r270
  text "3V3" at 2800,1675 h90 r270
  text "GND" at 205,1670 h90 r270
  text "LCD6" at 274.79,1670 h90 r270
  text "LCD4" at 344.58,1670 h90 r270
  text "LCDE" at 414.38,1670 h90 r270
  text "BUZZER" at 484.17,1670 h90 r270
  text "GND" at 2700,1670 h90 r270
  text "Z-MIN" at 3840,1665 h90
  text "Y-MAX" at 3100,1625 h90
  text "Y-MIN" at 3385,1605 h90
  text "VIN1B" at 3955,1600 h90 r270
  text "X-MIN" at 2555,1590 h90
  text "Z-MAX" at 3420,1590 h90 r270
  text "SPI_MISO" at 1540,1570 h75
  text "X-MAX" at 2625,1530 h90
  text "SPI_SCLK" at 1830,1505 h75
  text "3V3" at 200,1485.4 h90 r270
  text "ERASE" at 2485,1450 h90
  text "SPI_MOSI" at 1885,1440 h75
  text "GND" at 3520,1440 h90
  text "LCD5" at 342.09,1437.2 h90 r270
  text "LCD7" at 271.05,1435 h90 r270
  text "ENC1" at 484.18,1430.17 h90 r270
  text "LCDRS" at 413.14,1386.27 h90 r270
  text "FLSH_CS" at 2640,1355 h90
  text "WP#" at 1880,1340 h90
  text "VMOT" at 3520,1340 h90
  text "5V" at 3520,1240 h90
  text "HOLD#" at 2385,1235 h90
  text "3V3" at 3525,1145 h90
  text "GND" at 225,1095 h90 r270
  text "RRD3" at 305,1095 h90 r270
  text "RRD2" at 375,1095 h90 r270
  text "RRD1" at 440,1095 h90 r270
  text "MOSI" at 504.17,1095 h90 r270
  text "SCLK" at 2870,970 h90 r270
  text "MISO" at 2943.75,970 h90 r270
  text "I2C_SDA" at 3029.53,970 h90 r270
  text "UART0_RX" at 3103.28,970 h90 r270
  text "3V3" at 3165,970 h90 r270
  text "3V3" at 200,915 h90 r270
  text "MISO" at 344.59,867.41 h90 r270
  text "SCLK" at 489.18,862.41 h90 r270
  text "RESET" at 272.3,825 h90 r270
  text "GND" at 3170,770.3 h90 r270
  text "MOSI" at 2870,735.89 h90 r270
  text "EXP_CS2" at 428.92,733.17 h90 r270
  text "I2C_SCL" at 3032.03,630 h90 r270
  text "M1_VREF" at 620,620 h90
  text "M2_VREF" at 1300,620 h90
  text "M4_VREF" at 2660,615 h90
  text "M3_VREF" at 1980,610 h90
  text "EXP_CS1" at 2957.03,601.29 h90 r270
  text "UART0_TX" at 3107.03,560.2 h90 r270
  text "M5_VREF" at 3285,500 h90 r270
  text "E0-A1" at 2735,290 h90 r270
  text "E0-A2" at 2825,290 h90 r270
  text "E0-B1" at 2920,290 h90 r270
  text "E0-B2" at 3030,290 h90 r270
  text "X-A1" at 430,285 h90 r270
  text "X-A2" at 530,285 h90 r270
  text "X-B1" at 630,285 h90 r270
  text "X-B2" at 730,285 h90 r270
  text "E1-A2" at 3420,285 h90 r270
  text "E1-B1" at 3520,285 h90 r270
  text "E1-B2" at 3625,285 h90 r270
  text "Y-A2" at 1122.18,272.82 h90 r270
  text "Y-B1" at 1222.18,272.82 h90 r270
  text "Y-B2" at 1322.18,272.82 h90 r270
  text "Y-A1" at 1030,270 h90 r270
  text "Z-A1" at 1615,210 h90 r270
  text "Z-A2" at 1715,210 h90 r270
  text "Z-A1" at 2135,210 h90 r270
  text "Z-A2" at 2235,210 h90 r270
  text "E1-A1" at 3240,210 h90 r270
  text "Z-B1" at 1815,205 h90 r270
  text "Z-B2" at 1915,205 h90 r270
  text "Z-A1" at 2000,205 h90 r270
  text "Z-B1" at 2335,205 h90 r270
  text "Z-B2" at 2435,205 h90 r270
  text "Z-B2" at 1975,25 h90
  text "Z-A2" at 2325,20 h90
Mechanical 15:
  the board outline again, w10

## Dimensions
3950,151.85 to 4100,0 on Mechanical 13
0,0 to 0,4050 on Mechanical 13
150,3900 to 150,150 on Mechanical 13
3950,3900 to 150,3900 on Mechanical 13
0,4050 to 4100,4050 on Mechanical 13

## Text inside footprints (layer, text, board x,y; h text height)
C7: Top Overlay "+" at 3448.94,811.52 h77.5 r315; Top Overlay "+" at 3510.18,750.27 h77.5 r315
FAN-1: Mechanical 16 "1" at 282.5,3597.5 h62 r180
MAX1_ES1: Mechanical 16 "1" at 2562.5,1822.5 h62
MAX1_ES2: Mechanical 16 "1" at 3392.5,1822.5 h62
MAX1_ES3: Mechanical 16 "1" at 2977.5,1822.5 h62
MIN1_ES1: Mechanical 16 "1" at 2887.5,2187.5 h62 r180
MIN1_ES2: Mechanical 16 "1" at 3717.5,2187.5 h62 r180
MIN1_ES3: Mechanical 16 "1" at 3302.5,2187.5 h62 r180
P2_TR1: Mechanical 16 "1" at 3053.5,2617.07 h62 r180
P2_TR2: Mechanical 16 "1" at 2738.5,2617.07 h62 r180
P2_TR3: Mechanical 16 "1" at 3682.03,2617.5 h62 r180
P2_TR4: Mechanical 16 "1" at 3366.56,2617.03 h62 r180
T1: Top Overlay "4" at 980,3755 h77.5; Top Overlay "3" at 780,3755 h77.5; Top Overlay "2" at 580,3755 h77.5; Top Overlay "1" at 395,3755 h77.5
T3: Top Overlay "4" at 3810,2925 h77.5 r270; Top Overlay "3" at 3810,3125 h77.5 r270; Top Overlay "2" at 3810,3325 h77.5 r270; Top Overlay "1" at 3810,3510 h77.5 r270; Top Overlay "5" at 3810,2725 h77.5 r270; Top Overlay "6" at 3810,2525 h77.5 r270
U3: Top Overlay "R" at 1833.56,1983.83 h37.2 r270; Top Overlay "TQFP 144" at 1778.05,2228.46 h49.6 r270